# Altium PCB ZYNQ_IPMC.PcbDoc (part 1 of 6)
Units mil, origin at the board's own origin, x right, y up, seen from the top; angles counter-clockwise.
Board outline 3228.35 x 1181.1 mil, 10 copper layers (Component Side, Ground Plane 1 (GND), Inner Layer 1, Inner Layer 2, Power Plane 1, Power Plane 2, Inner Layer 3, Inner Layer 4, Power Plane 3, Solder Side), stack 39.78 mil thick; 308 components, 335 nets, 1514 pads, 1113 vias.
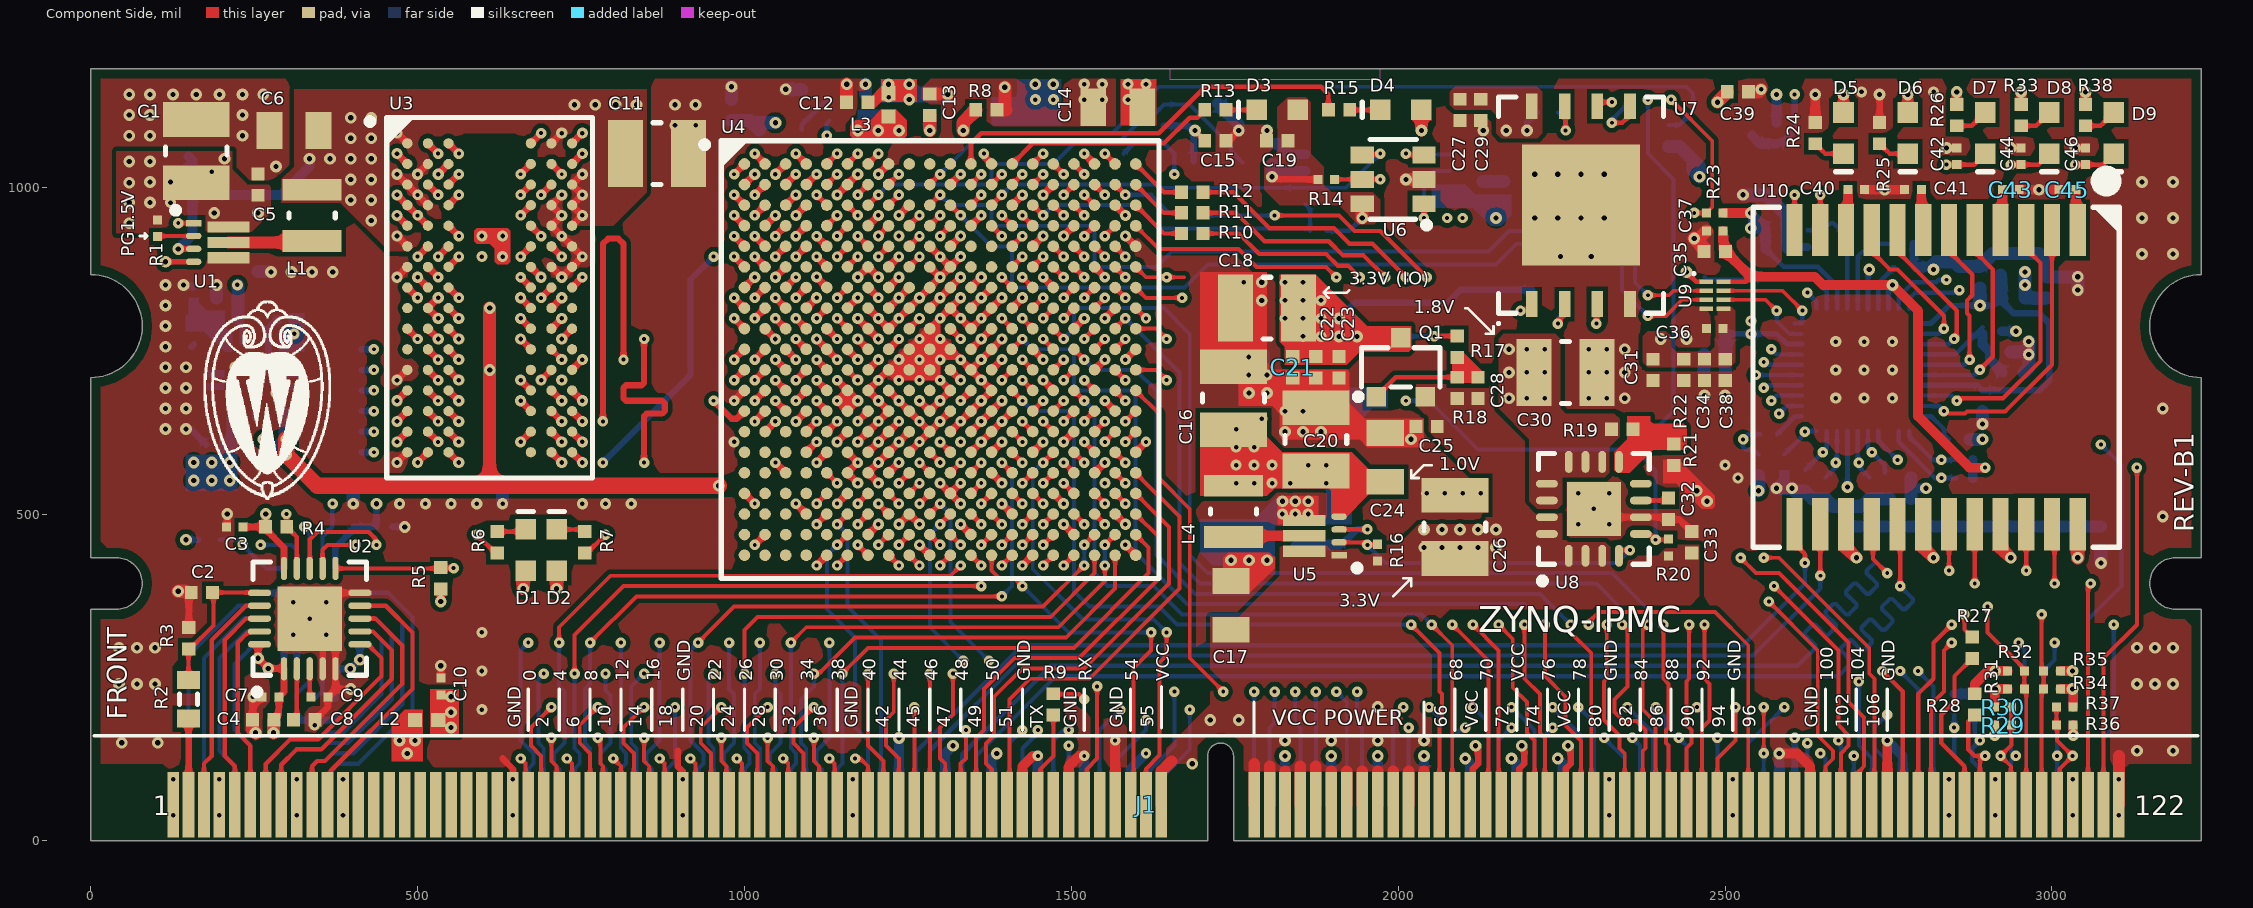
[diagram p0: Component Side view]
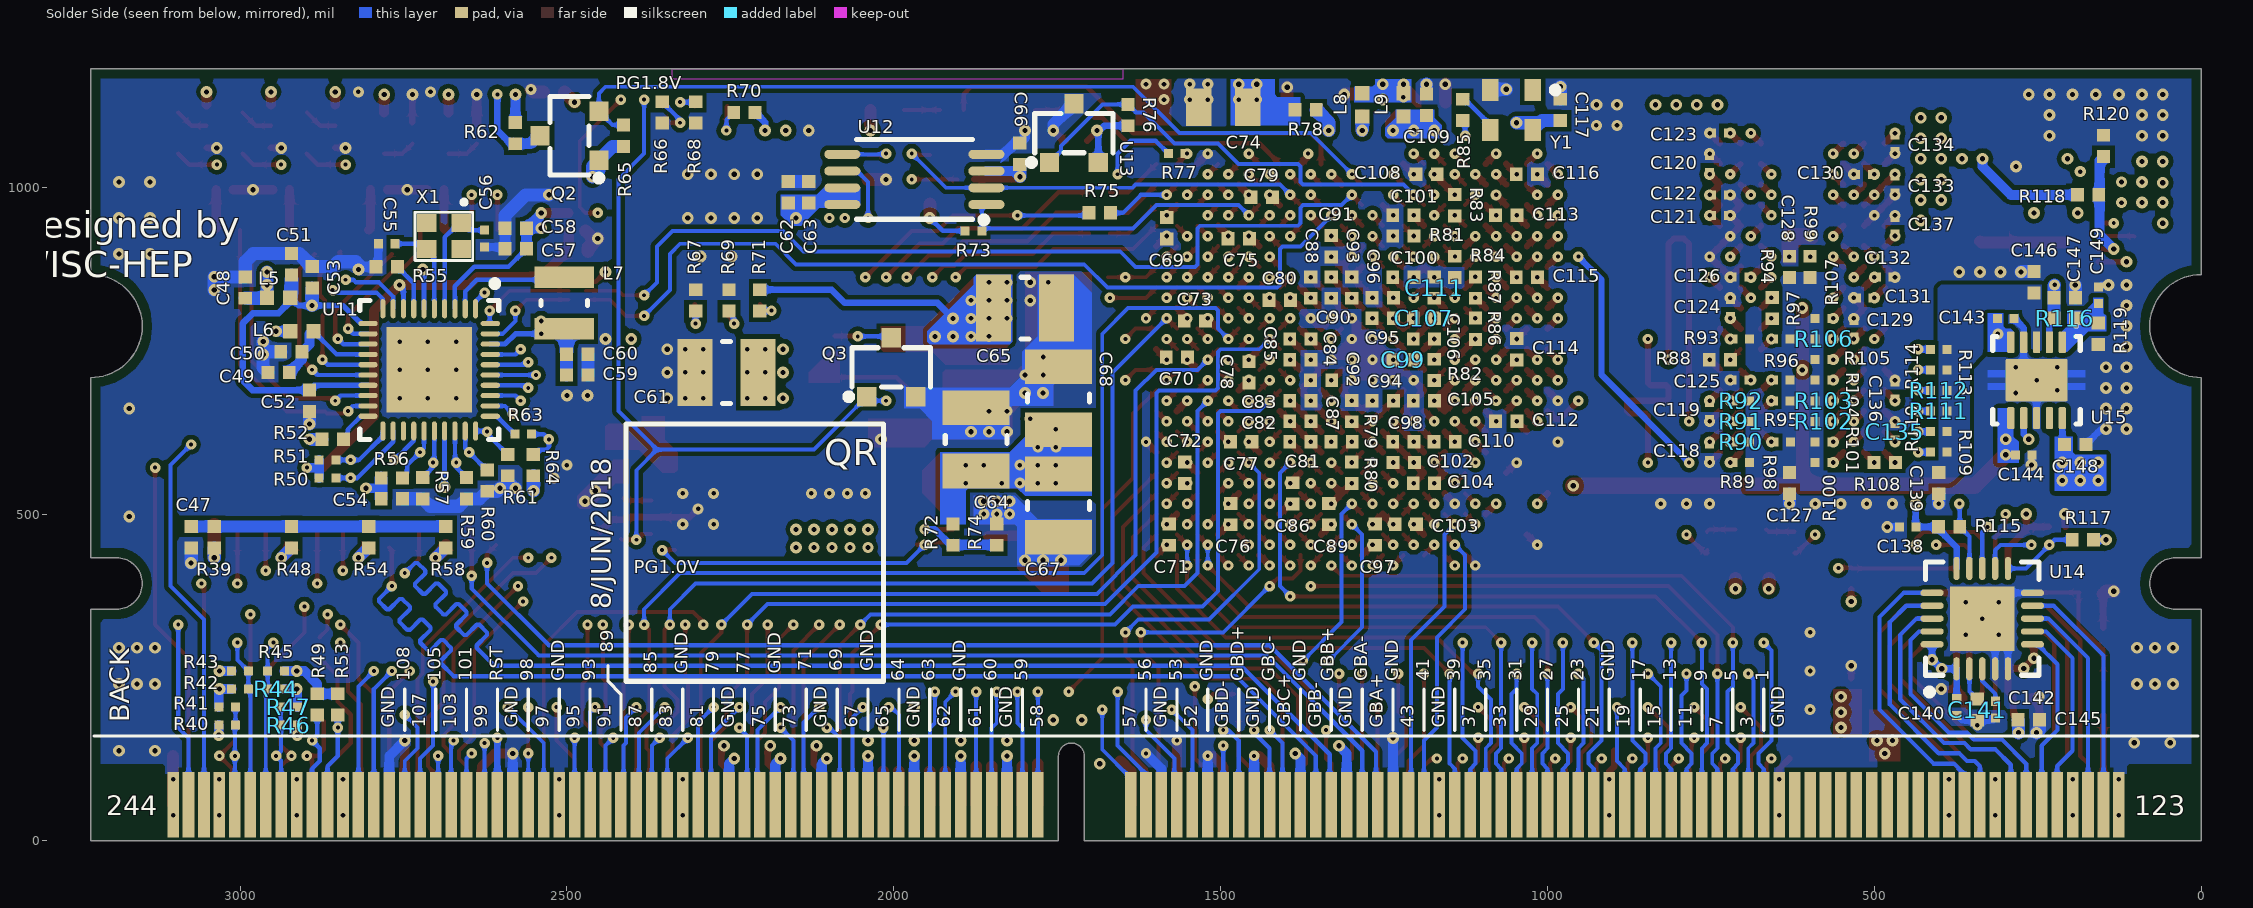
[diagram p1: Solder Side view, seen from below]
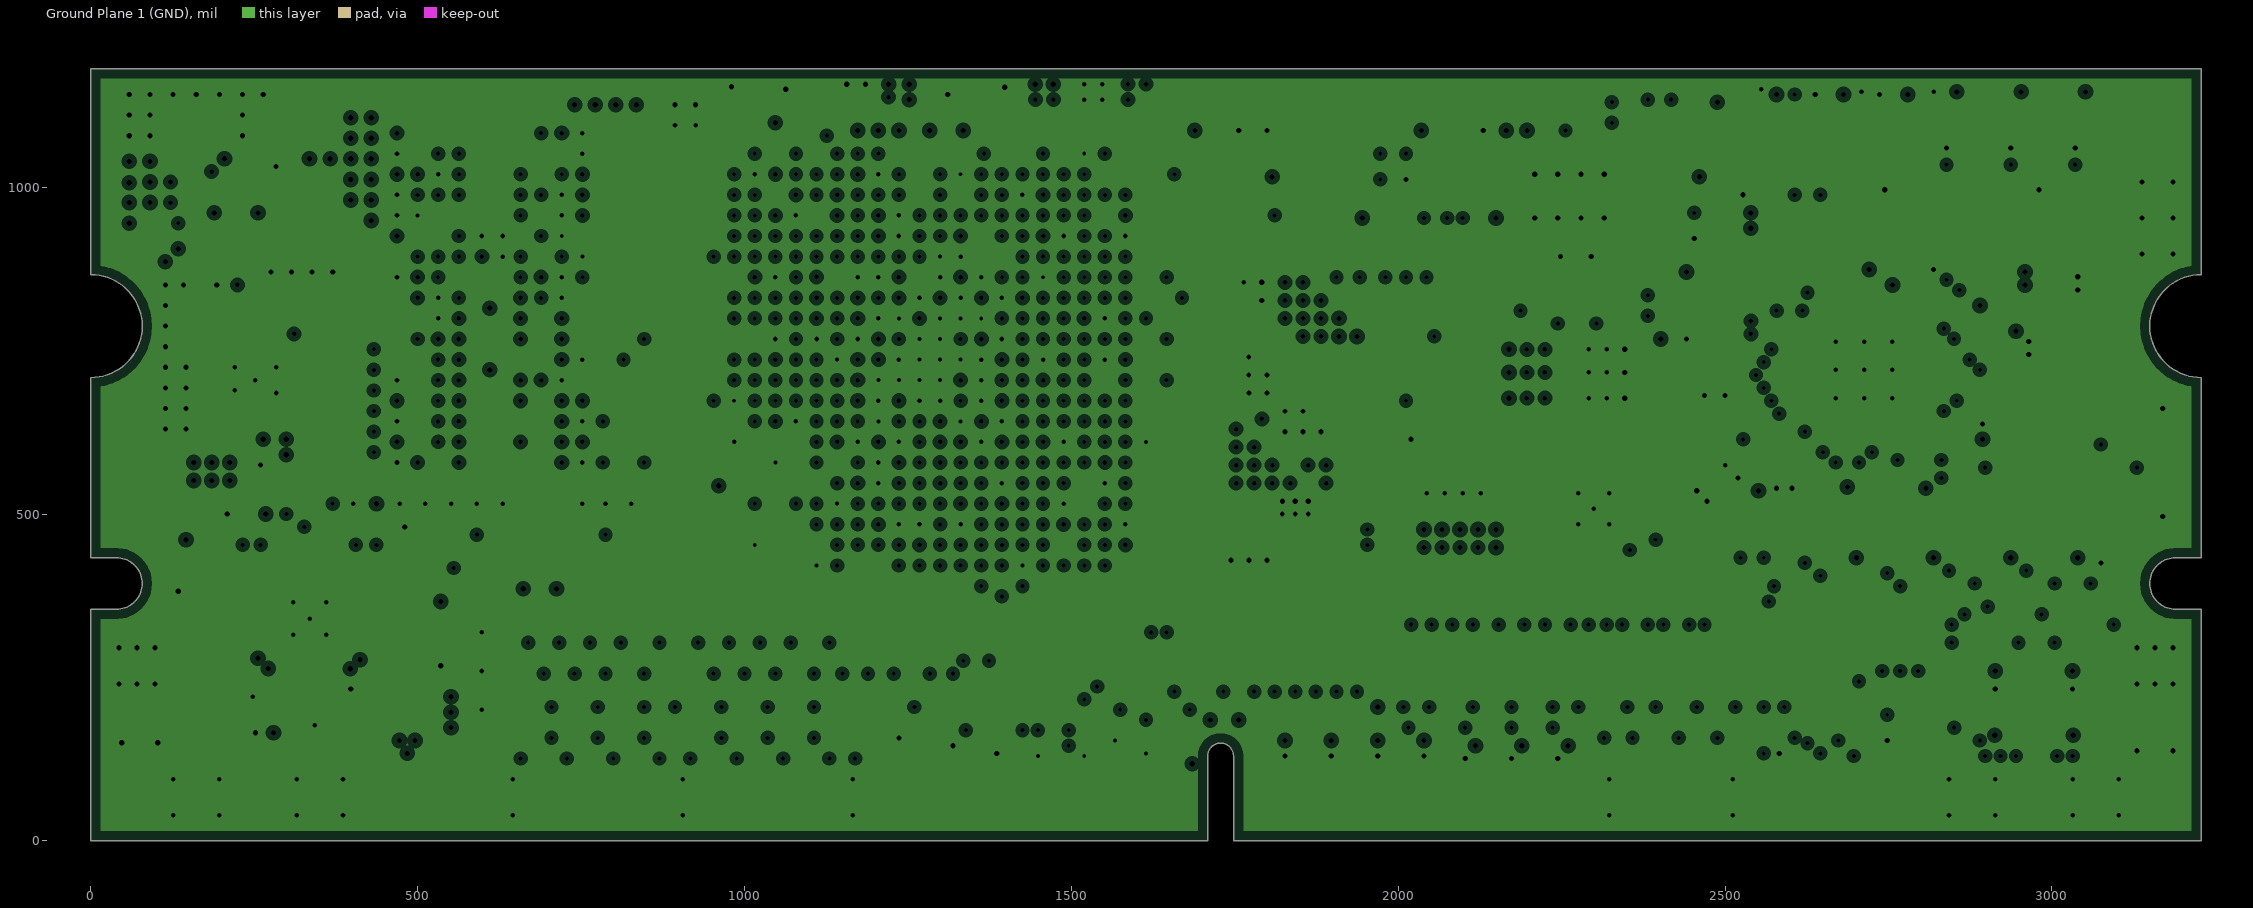
[diagram p2: Ground Plane 1 (GND), clearances drawn from the general rule]
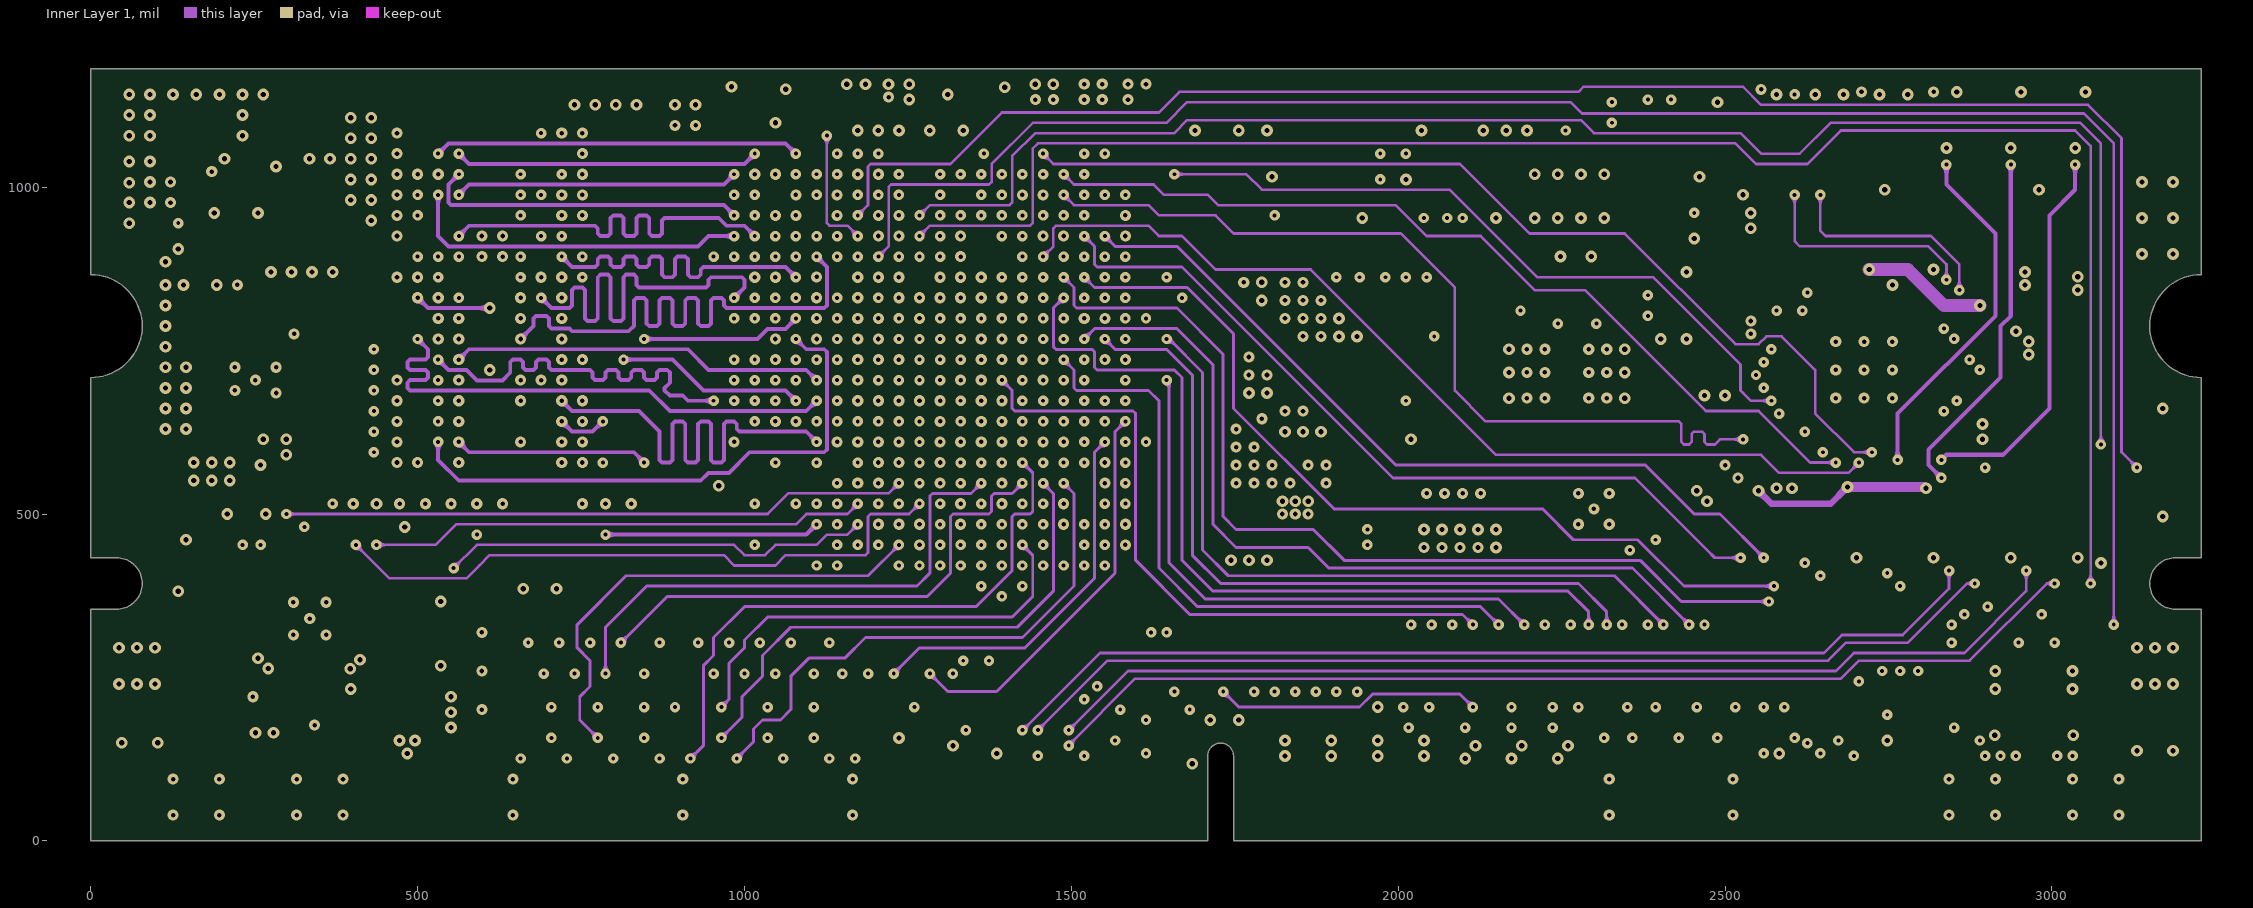
[diagram p3: Inner Layer 1]
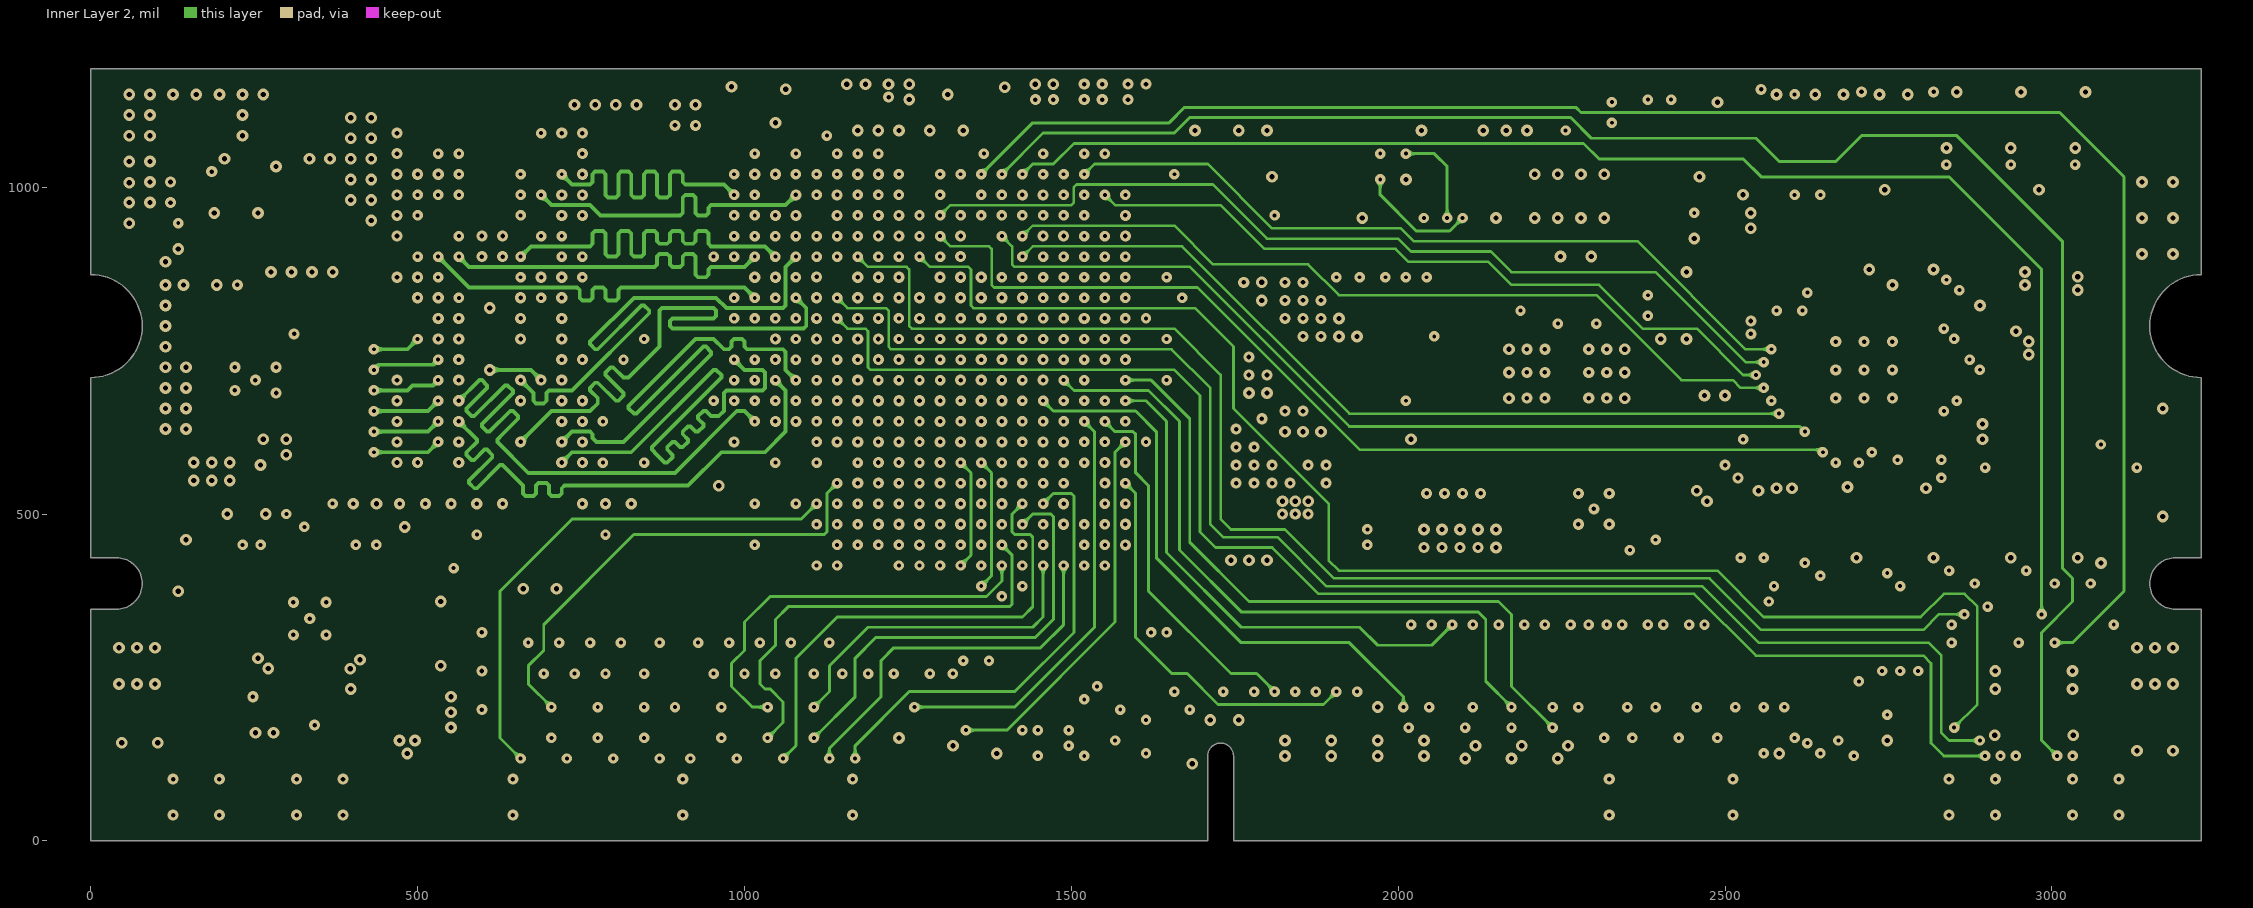
[diagram p4: Inner Layer 2]
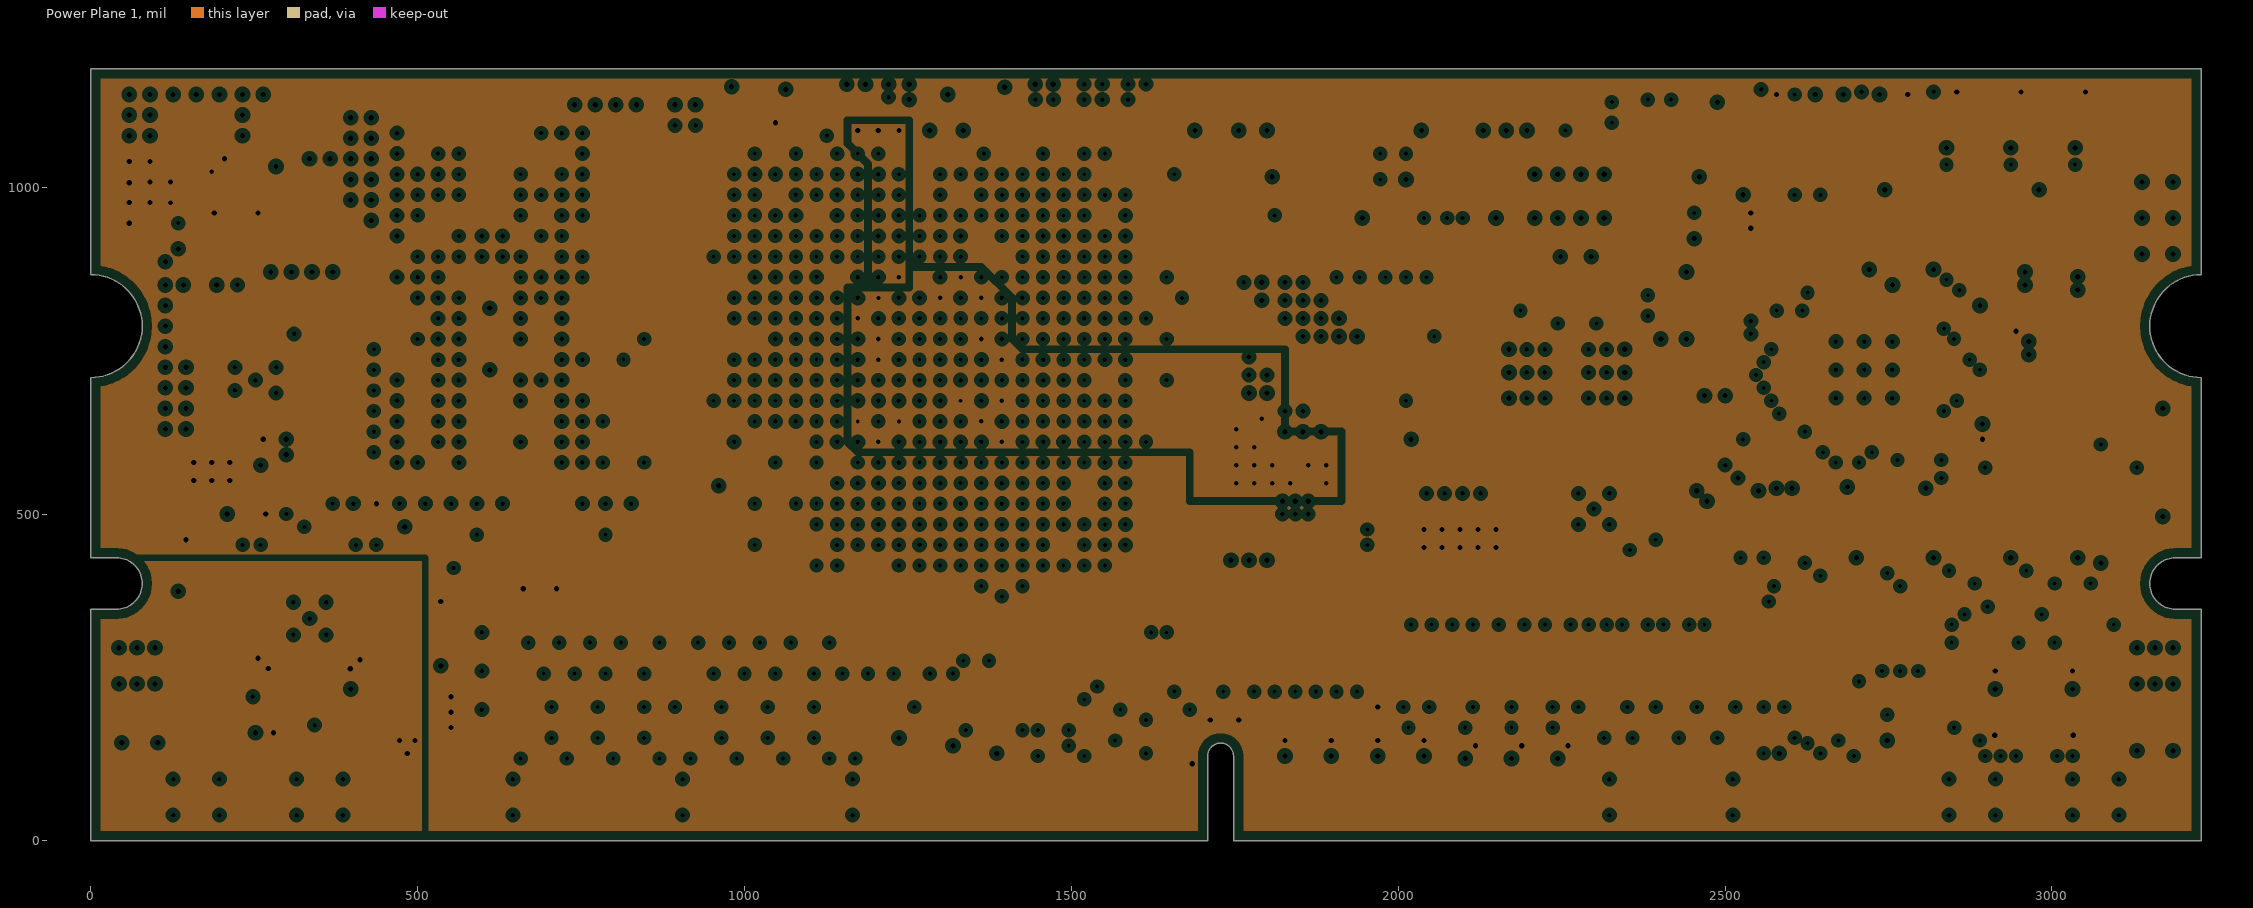
[diagram p5: Power Plane 1, clearances drawn from the general rule]
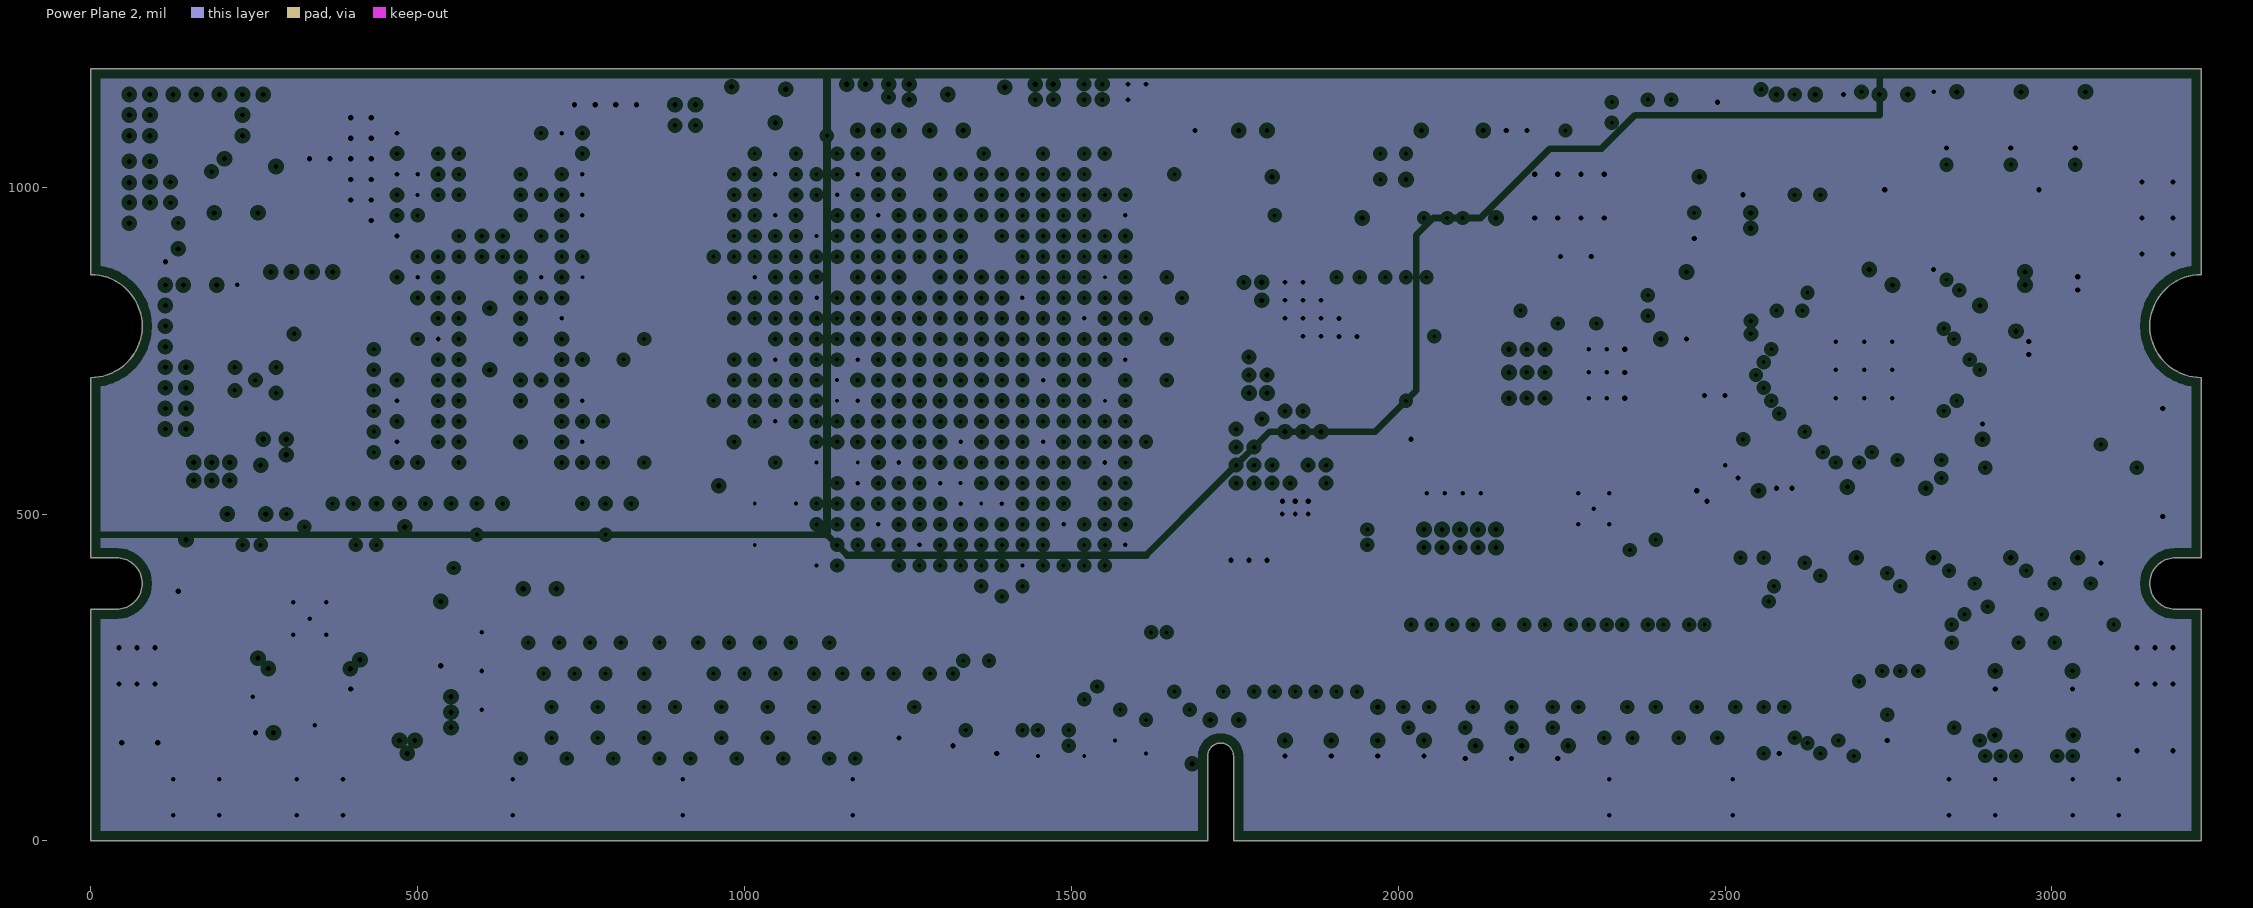
[diagram p6: Power Plane 2, clearances drawn from the general rule]